# Altium PCB Master_v2.1.PcbDoc (part 1 of 2)
Units mil, origin at the board's own origin, x right, y up, seen from the top; angles counter-clockwise.
Board outline 3041.43 x 3041.44 mil, 2 copper layers (Top Layer, Bottom Layer); 99 components, 86 nets, 388 pads, 209 vias.
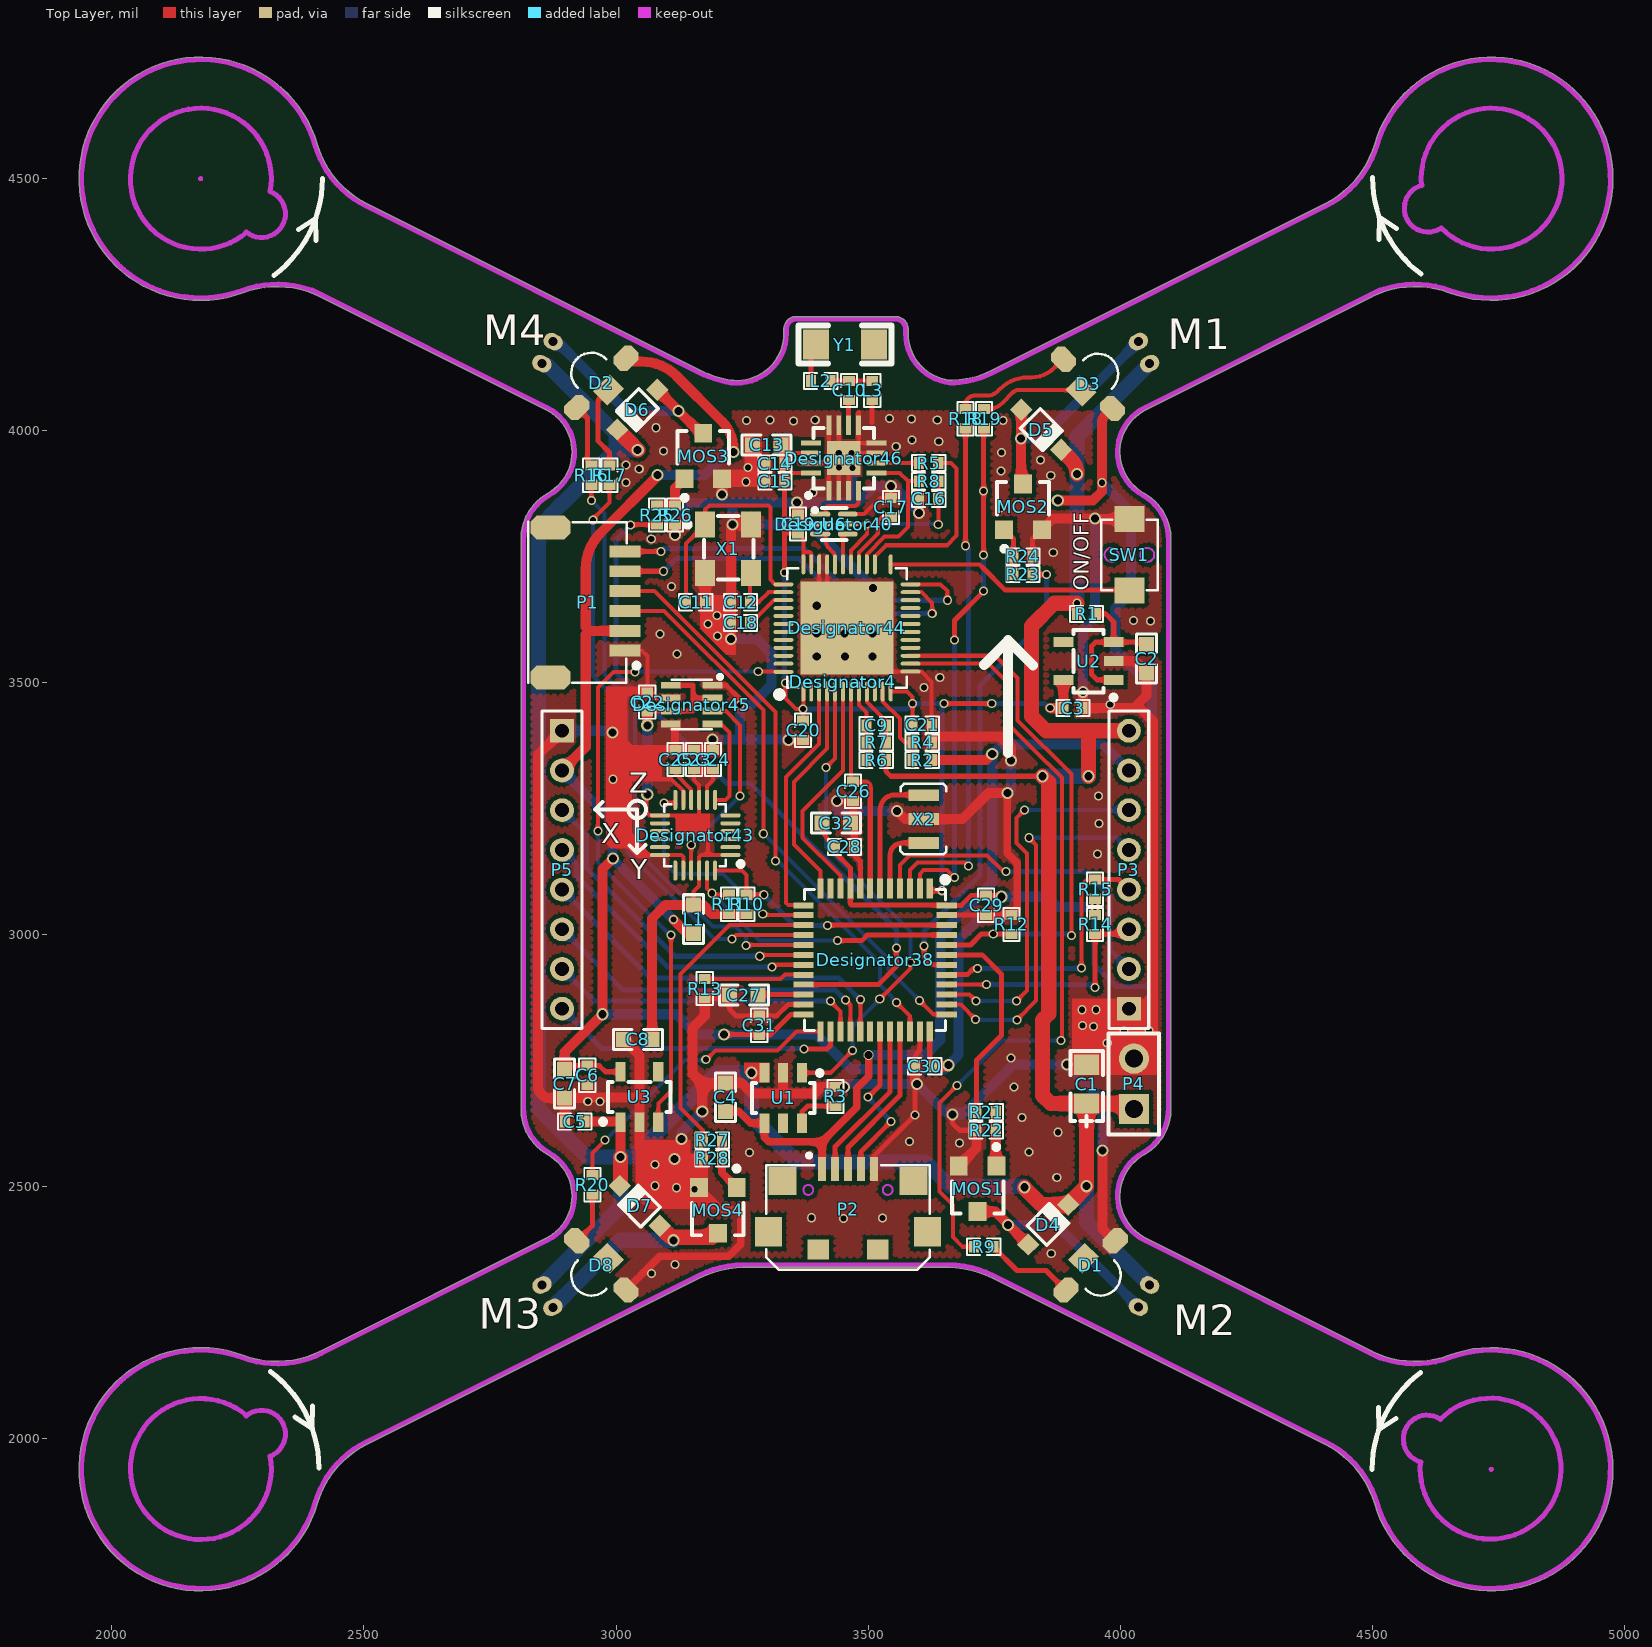
[diagram p0: Top Layer view]
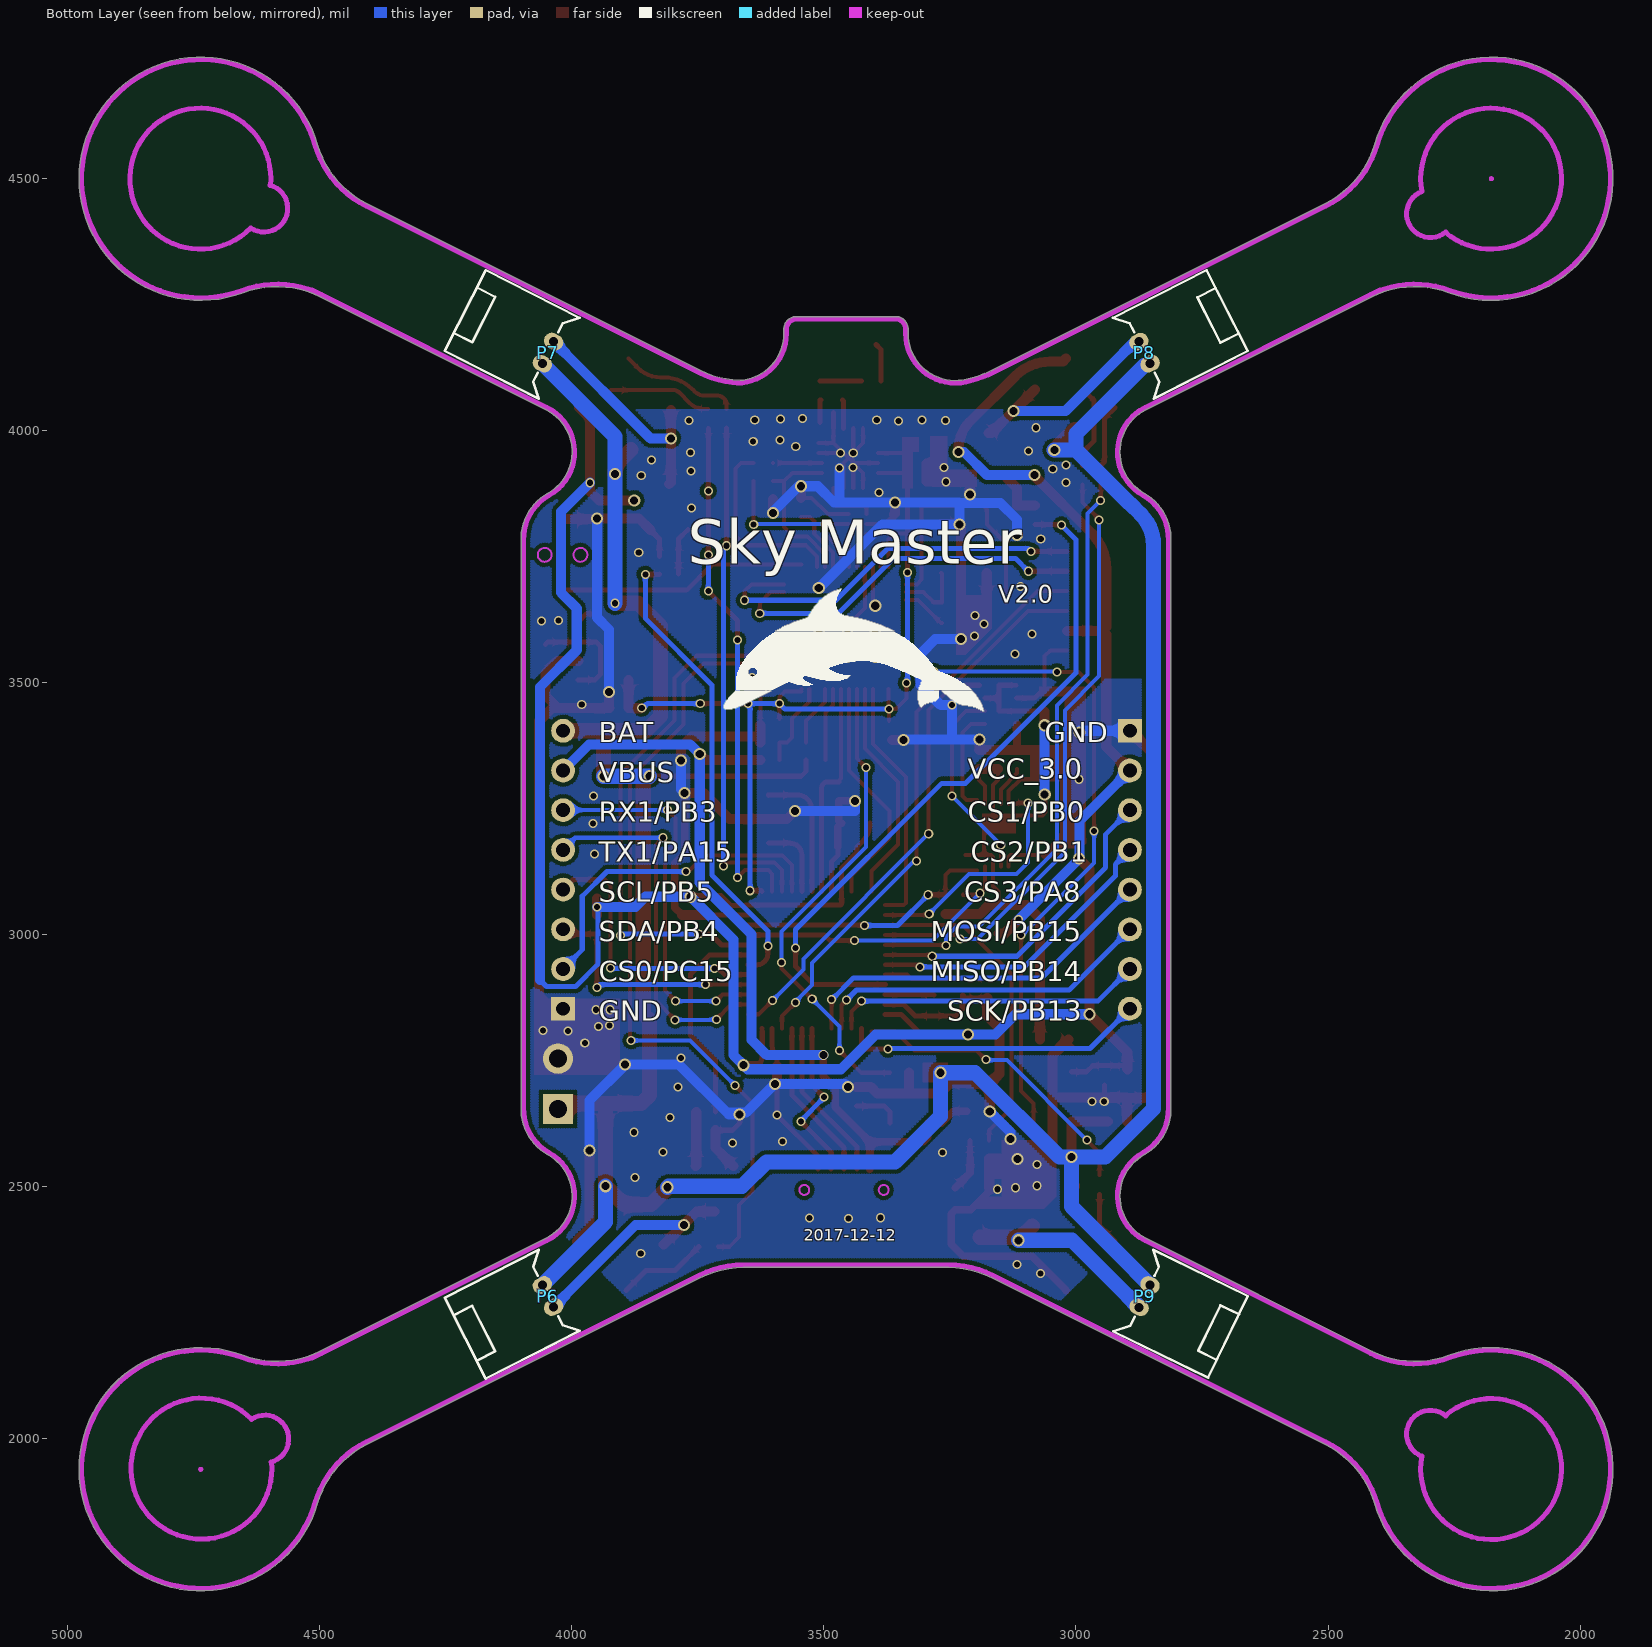
[diagram p1: Bottom Layer view, seen from below]

## Layer stack, top to bottom
Top Solder: solder mask 0.4, Solder Resist, Dk 3.5
Top Layer: signal copper 1.4
Dielectric1: dielectric 12.6, FR-4, Dk 4.8
Bottom Layer: signal copper 1.4
Bottom Solder: solder mask 0.4, Solder Resist, Dk 3.5

## Board outline
2407.87,1871.64 ccw(c2403.06,1873.05) 2407.88,1871.67 cw(c2591.9,1817.47) 2506.05,1989.02 3166.83,2319.69 cw(c3252.68,2148.13) 3252.68,2339.97 3659.28,2339.97 cw(c3659.28,2148.13) 3745.13,2319.69 4405.91,1989.02 ccw(c4408.15,1993.51) 4405.91,1989.02 cw(c4320.06,1817.47) 4405.94,1989.01 cw(c4320.06,1817.47) 4504.08,1871.68 cw(c4320.06,1817.47) 4504.09,1871.64 cw(c4508.9,1873.05) 4504.08,1871.68 4504.09,1871.64 ccw(c4735.51,1939.76) 4976.74,1939.76 ccw(c4735.51,1939.76) 4651.3,2165.82 cw(c4584.34,2345.59) 4498.64,2173.96 cw(c4584.34,2345.59) 4498.49,2174.03 4498.64,2173.96 4050.74,2398.09 ccw(c4048.5,2393.61) 4050.72,2398.1 ccw(c4092.55,2481.62) 4050.74,2398.09 4050.72,2398.1 cw(c4092.55,2481.62) 4047.1,2563.23 ccw(c4044.68,2567.63) 4047.12,2563.25 ccw(c3996.82,2653.64) 4100.23,2650.79 ccw(c3996.82,2653.64) 4100.26,2653.64 ccw(c3996.82,2653.64) 4100.23,2656.41 4100.23,3782.16 ccw(c3996.82,3784.93) 4100.26,3784.93 ccw(c3996.82,3784.93) 4100.23,3787.77 cw(c4095.21,3787.64) 4100.23,3787.64 4100.23,3787.77 ccw(c3996.82,3784.93) 4047.12,3875.32 cw(c4092.55,3956.94) 4047.1,3875.34 cw(c4092.55,3956.94) 4050.72,4040.46 cw(c4092.55,3956.94) 4050.74,4040.48 4498.64,4264.61 cw(c4584.34,4092.98) 4651.3,4272.75 ccw(c4735.51,4498.81) 4976.74,4498.81 ccw(c4735.51,4498.81) 4504.09,4566.93 ccw(c4508.9,4565.51) 4504.08,4566.89 ccw(c4320.06,4621.1) 4504.09,4566.93 4504.08,4566.89 cw(c4320.06,4621.1) 4405.94,4449.56 cw(c4320.06,4621.1) 4405.91,4449.54 ccw(c4408.15,4445.06) 4405.91,4449.54 cw(c4408.15,4445.06) 4405.94,4449.56 4405.91,4449.54 3745.13,4118.88 cw(c3659.28,4290.44) 3667.08,4098.76 cw(c3672.51,4192.01) 3579.1,4192 3579.12,4200.85 ccw(c3554.42,4200.89) 3579.12,4200.89 ccw(c3554.42,4200.89) 3554.42,4225.59 3357.55,4225.59 ccw(c3357.55,4200.89) 3332.85,4200.89 ccw(c3337.87,4200.89) 3332.85,4200.86 3332.85,4192.01 cw(c3239.44,4192.01) 3209.82,4103.42 ccw(c3208.2,4098.68) 3209.34,4103.56 cw(c3252.68,4290.44) 3209.31,4103.57 cw(c3252.68,4290.44) 3166.83,4118.88 2506.05,4449.54 cw(c2591.9,4621.1) 2407.88,4566.9 cw(c2591.9,4621.1) 2407.87,4566.93 cw(c2403.06,4565.51) 2407.88,4566.9 2407.87,4566.93 ccw(c2176.45,4498.81) 2260.66,4272.75 cw(c2327.62,4092.98) 2413.32,4264.61 2861.21,4040.48 ccw(c2863.46,4044.96) 2861.24,4040.46 cw(c2819.41,3956.94) 2912.82,3956.94 cw(c2819.41,3956.94) 2864.86,3875.34 ccw(c2867.27,3870.94) 2864.83,3875.32 ccw(c2819.41,3956.94) 2864.86,3875.34 2864.83,3875.32 ccw(c2915.13,3784.93) 2811.73,3787.77 ccw(c2915.13,3784.93) 2811.69,3784.93 2811.69,3744.42 ccw(c2816.71,3744.42) 2811.73,3743.81 2811.73,2656.41 ccw(c2915.13,2653.64) 2811.73,2650.79 cw(c2816.74,2650.93) 2811.73,2650.93 2811.73,2650.79 ccw(c2915.13,2653.64) 2864.83,2563.25 cw(c2819.41,2481.62) 2864.86,2563.23 cw(c2867.27,2567.63) 2864.83,2563.25 2864.86,2563.23 cw(c2819.41,2481.62) 2912.82,2481.62 cw(c2819.41,2481.62) 2861.24,2398.1 cw(c2819.41,2481.62) 2861.21,2398.09 cw(c2863.46,2393.61) 2861.24,2398.1 2861.21,2398.09 2413.47,2174.03 ccw(c2415.71,2169.55) 2413.44,2174.02 ccw(c2327.62,2345.59) 2413.47,2174.03 2413.44,2174.02 cw(c2327.62,2345.59) 2260.66,2165.82 ccw(c2176.45,1939.76)

## Design rules (kind name [scope] priority, off if disabled: settings)
Clearance Clearance_7 [InPolygon] p1: gap=8
Clearance Clearance_6 [(InComponent('P2'))] p2: gap=1
Clearance Clearance_5 [(InComponent('U6'))] p3: gap=1
Clearance Clearance_4 [(InComponent('U5'))] p4: gap=1
Clearance Clearance_3 [(InComponent('U4'))] p5: gap=1
Clearance Clearance_2 [(InComponent('U8'))] p6: gap=1
Clearance Clearance_1 [(InComponent('U9'))] p7: gap=1
Clearance [All] p8: gap=6
ComponentClearance [All] p1: gap=-10 collisioncheckmode=3 verticalgap=10 showdistances=FALSE
PlaneConnect [All] p1: planeconnectstyle=Direct reliefexpansion=20 reliefentries=4 reliefconductorwidth=10 reliefairgap=10
PolygonConnect [All] p1: connectstyle=Direct reliefconductorwidth=10 reliefentries=4 polygonreliefangle="90 Angle" airgapwidth=10
RoutingVias [All] p1: holewidth=28 width=50 viastyle="Through Hole" minholewidth=10 minwidth=10 maxholewidth=28 maxwidth=50
SilkToSolderMaskClearance SilkscreenOverComponentPads [IsPad] p1: minsilkscreentomaskgap=10 clearancetoexposedcopper=TRUE
SolderMaskExpansion [All] p1: expansion=4
Width [All] p1: maxlimit=100 minlimit=8 preferedwidth=10
27 further rules are at their usual default settings.

## Classes and differential pairs
component class Master_1: C22 C23 C24 C25
component class Master_2: C26 C27 C28 C29 C30 C31 C32 D2 D3 D4 D5 D6 D7 D8 MOS1 MOS2 MOS3 MOS4 P1 P2 P3 P4 P5 P6 P7 P8 P9 R10 R11 R12 R13 R14 R15 R16 R17 R18 R19 R20 R21 R22 R23 R24 R25 R26 R27 R28 X2
component class Master: C1 C2 C3 C4 C5 C6 C7 C8 C9 C10 C11 C12 C13 C14 C15 C16 C17 C18 C19 C20 C21 D1 L1 L2 L3 R1 R2 R3 R4 R5 R6 R7 R8 R9 SW1 U1 U2 U3 U6 X1 Y1

## Components (designator, comment, footprint, x,y, rotation, side; value= is the part's Value field where it differs from the comment)
C1 "22uF" "C0805 钽电容" 3933,2665 r90 top
C2 "10uF" 0603P 4052,3547 r90 top
C3 "1uF" 0402 3906,3449 r180 top
C4 "10uF" 0603P 3217,2678 r270 top
C5 "1uF" 0402 2918,2629 r0 top
C6 "104" 0402 2943,2721.03 r90 top
C7 "10uF" 0603P 2898,2704 r90 top
C8 "10uF" 0603P 3043,2792 r0 top
C9 "104" 0402 3516,3415 r180 top
C10 "2.2p" 0402 3462,4079 r90 top
C11 "12p" 0402 3158,3659 r0 top
C12 "12p" 0402 3247,3659 r180 top
C13 "10uF" 0603P 3299,3971 r180 top
C14 "103" 0402 3315.03,3934 r180 top
C15 "221" 0402 3315.03,3899 r180 top
C16 "222" 0402 3620,3864 r180 top
C17 "473" 0402 3545,3847 r90 top
C18 "104" 0402 3247,3618 r180 top
C19 "104" 0402 3361,3814 r90 top
C20 "104" 0402 3371,3405 r270 top
C21 "104" 0402 3607,3416 r0 top
C22 "104" 0402 3062,3461 r270 top
C23 "104" 0402 3155,3347 r270 top
C24 "103" 0402 3192,3347 r270 top
C25 "104" 0402 3118,3347 r270 top
C26 "104" 0402 3470.03,3284 r90 top
C27 "10uF" 0603P 3253,2880 r0 top
C28 "104" 0402 3453.03,3174 r180 top
C29 "104" 0402 3734,3058 r90 top
C30 "104" 0402 3612,2739 r0 top
C31 "104" 0402 3284,2820 r270 top
C32 "10uF" 0603P 3437,3221 r180 top
D1 "LED-B" "LED1206  侧贴" 3941,2344 r225 top
D2 "LED-RG" "LED1206  侧贴" 2971,4094 r45 top
D3 "LED-RG" "LED1206  侧贴" 3936,4092 r315 top
D4 "BAT54WS" SOD-323 3857,2425 r225 top
D5 "BAT54WS" SOD-323 3843,4001 r135 top
D6 "BAT54WS" SOD-323 3042,4041 r45 top
D7 "BAT54WS" SOD-323 3047,2462 r315 top
D8 "LED-B" "LED1206  侧贴" 2971,2344 r135 top
Designator4 "Comment" "LOGO - duplicate" 3450,3501 r0 top
Designator38 "Comment" UFQFPN48 3513.84,2949.83 r270 top
Designator40 "Comment" 0603-6#1 3432,3814 r0 top
Designator43 "Comment" QFN24-0.4 3157,3197 r180 top
Designator44 "Comment" QFN48M-04 3458,3608 r90 top
Designator45 "Comment" LGA-8 3150,3456 r0 top
Designator46 "Comment" QFN16M 3451.47,3944.94 r90 top
L1 "1uH" 0603P 3154,3031 r270 top
L2 "3.9nH" 0402 3406,4098 r0 top
L3 "1nH" 0402 3508,4079 r270 top
MOS1 "SI2302" SO-G3/C2.5 3717,2496 r180 top
MOS2 "SI2302" SO-G3/C2.5 3807,3848 r0 top
MOS3 "SI2302" SO-G3/C2.5 3173,3949 r0 top
MOS4 "SI2302" SO-G3/C2.5 3202,2453 r180 top
P1 "STM_SWD" SH1.0-6P 3018,3563 r90 top
P2 "MICRO-USB" MICRO_USB5P_SOP 3460,2535 r180 top
P3 "CONN_8_RIGHT" HEADER8-2.0MM 4017,2853 r90 top
P4 "Battery" HDR1X2 4027,2654 r90 top
P5 "CONN_8_RIGHT" HEADER8-2.0MM 2893,3404.18 r270 top
P6 "HEAD2" HEADER2-1.25MM 4047,2283.31 r63 bottom
P7 "HEAD2" HEADER2-1.25MM 4047,4154 r117 bottom
P8 "HEAD2" HEADER2-1.25MM 2864.17,4153.92 r243 bottom
P9 "HEAD2" HEADER2-1.25MM 2864,2283 r296 bottom
R1 "0R" 0402 3933,3636 r180 top
R2 "10K" 0402 3607,3346 r0 top
R3 "1.6K" 0402 3435,2679 r270 top
R4 "10K" 0402 3607,3381 r180 top
R5 "1K" 0402 3620,3935 r0 top
R6 "49.9K" 0402 3516,3346 r0 top
R7 "49.9K" 0402 3516,3381 r180 top
R8 "1K" 0402 3620,3899 r0 top
R9 "510R" 0402 3729,2381 r180 top
R10 "4.7K" 0402 3259,3060 r270 top
R11 "4.7K" 0402 3224,3060 r270 top
R12 "10K" 0402 3784,3020 r90 top
R13 "100K" 0402 3176,2893 r270 top
R14 "100K" 0402 3950,3020 r90 top
R15 "100K" 0402 3950,3090 r270 top
R16 "10K" 0402 2951,3911 r270 top
R17 "10K" 0402 2987,3911 r270 top
R18 "10K" 0402 3693,4023 r270 top
R19 "10K" 0402 3730,4023 r270 top
R20 "10K" 0402 2953,2504 r270 top
R21 "100R" 0402 3734,2648 r180 top
R22 "10K" 0402 3734,2612 r0 top
R23 "100R" 0402 3807,3715 r0 top
R24 "10K" 0402 3807,3750 r180 top
R25 "100R" 0402 3081,3832 r270 top
R26 "10K" 0402 3117,3832 r90 top
R27 "100R" 0402 3191,2592 r180 top
R28 "10K" 0402 3191,2556 r0 top
SW1 "SW_PUSH" KEY_2S 4018,3753 r90 top
U1 "TP4059" SOT23-6S 3369,2726 r270 top
U2 "XC6204-30" SOT23-5S 3987,3505 r180 top
U3 "XC6204-30" SOT23-5S 3009,2628 r90 top
U6 "2450BM14A0002" 0603-6#2 3433,3814 r0 top
X1 "16MHz" "XTAL3225   无源" 3222,3765 r270 top
X2 "8MHz" XTAL3215 3610,3229 r90 top
Y1 "2450AT18B100" 1206 3454,4170 r0 top

## Footprints (in the part's own frame and the unit in brackets; to place one, negate y for a bottom-side part, rotate by r counter-clockwise, add the part's x,y. Pads: shape width x height; smd on the part's side, far side on the other; paste and mask are expansions set on the pad)
0402 [mil]
  rect 20x23.62 smd: 1(-19,0) 2(19,0)
  silkscreen extent -33,-16 33,16
0603-6#1 [mm] "SOIC, 6-Leads, Body 1.6x0.6mm (max), Pitch 1.27mm, IPC Medium Density"
  oval 1x0.25 smd: 1(-0.7,0.5) 2(-0.7,0) 3(-0.7,-0.5) 4(0.7,-0.5) 5(0.7,0) 6(0.7,0.5)
  silkscreen extent -1.05,-0.8 0.6,0.8, body extent -0.3,-0.8 0.3,0.8, height 0.5
0603-6#2 [mm]
  oval 0.5x0.25 smd: 1(-0.45,0.5) 2(-0.45,0) 3(-0.45,-0.5) 4(0.45,-0.5) 5(0.45,0) 6(0.45,0.5)
  silkscreen extent -1.05,-0.8 0.6,0.8
0603P [mil]
  rect 30x30 smd: 1(-28,0) 2(28.5,-0.06)
  silkscreen extent -48,-20 49,20
1206 [mil]
  rect 51.18x60 smd: 1(-57.5,0) 2(57.5,0)
  silkscreen extent -93,-38 93,38
"C0805 钽电容" [mil]
  rect 40x50 smd: 1(0,-0.06) 2(77,-0.06)
  silkscreen extent -46,-33 104,32
HDR1X2 [mil]
  rect 60x60 hole 35.43: 1(0,0)
  round 60 hole 35.43: 2(100,0)
  silkscreen extent -50,-50 150,50
HEADER2-1.25MM [mm]
  oval 0.8x1 hole 0.45: 1(-0.625,0) 2(0.625,0)
  silkscreen extent -2.29,-0.64 2.29,4.67
HEADER8-2.0MM [mm]
  rect 1.2x1.2 hole 0.7: 1(0,0)
  round 1.2 hole 0.7: 2(2,0) 3(4,0) 4(6,0) 5(8,0) 6(10,0) 7(12,0) 8(14,0)
  silkscreen extent -1,-1 15,1
KEY_2S [mm]
  rect 1.3x1.5 smd: 1(-1.8,0) 2(1.8,0)
  Keep-Out Layer circle w0.1: c0,0.9 r0.35
  Keep-Out Layer circle w0.1: c0,-0.9 r0.35
  silkscreen extent -1.78,-1.42 1.78,1.42
"LED1206  侧贴" [mm]
  oct 1.3x1 smd: 1(-1.75,0) 3(1.75,0)
  rect 1.2x1 smd: 2(0,-0.508)
  silkscreen extent -1.02,0.66 1.02,1.72
LGA-8 [mm]
  rect 1x0.35 smd: 1(1.05,0.975) 2(1.05,0.325) 3(1.05,-0.325) 4(1.05,-0.975) 5(-1.05,-0.975) 6(-1.05,-0.325) 7(-1.05,0.325) 8(-1.05,0.975)
  silkscreen extent -1,-1.25 1.52,1.5
"LOGO - duplicate" [mil]
MICRO_USB5P_SOP [mm]
  rect 1.35x1.5 smd: 0(-4,3.16) 0(4,3.16)
  rect 1.4x1.4 smd: 0(-3.3,0.6) 0(3.3,0.6)
  rect 1.1x1 smd: 0(-1.5,4.046) 0(1.5,4.046)
  rect 0.4x1.2 smd: 1(1.3,0) 2(0.65,0) 3(0,0) 4(-0.65,0) 5(-1.3,0)
  Keep-Out Layer circle w0.1: c-2,1.05 r0.25
  Keep-Out Layer circle w0.1: c2,1.05 r0.25
  silkscreen extent -4.11,-0.79 4.11,5.08
QFN16M [mm]
  rect 1x0.25 smd: 1(-1.65,0.75) 2(-1.65,0.25) 3(-1.65,-0.25) 4(-1.65,-0.75) 9(1.65,-0.75) 10(1.65,-0.25) 11(1.65,0.25) 12(1.65,0.75)
  rect 0.25x1 smd: 5(-0.75,-1.65) 6(-0.25,-1.65) 7(0.25,-1.65) 8(0.75,-1.65) 13(0.75,1.65) 14(0.25,1.65) 15(-0.25,1.65) 16(-0.75,1.65)
  rect 1.7x1.7 smd: 17(0,0)
  silkscreen extent -1.98,-1.52 1.52,1.88
QFN24-0.4 [mil]
  oval 40x8 smd: 1(-70.01,39.37) 2(-70.01,23.62) 3(-70.01,7.87) 4(-70.01,-7.87) 5(-70.01,-23.62) 6(-70.01,-39.37) 13(70.01,-39.37) 14(70.01,-23.62) 15(70.01,-7.87) 16(70.01,7.87) 17(70.01,23.62) 18(70.01,39.37)
  oval 8x40 smd: 7(-39.37,-70.01) 8(-23.62,-70.01) 9(-7.87,-70.01) 10(7.87,-70.01) 11(23.62,-70.01) 12(39.37,-70.01) 19(39.37,70.01) 20(23.62,70.01) 21(7.87,70.01) 22(-7.87,70.01) 23(-23.62,70.01) 24(-39.37,70.01)
  silkscreen extent -95,-61 61,62
QFN48M-04 [mm]
  oval 1x0.2 smd: 1(-3.2,2.2) 2(-3.2,1.8) 3(-3.2,1.4) 4(-3.2,1) 5(-3.2,0.6) 6(-3.2,0.2) 7(-3.2,-0.2) 8(-3.2,-0.6) 9(-3.2,-1) 10(-3.2,-1.4) 11(-3.2,-1.8) 12(-3.2,-2.2) 25(3.2,-2.2) 27(3.2,-1.4) 28(3.2,-1) 29(3.2,-0.6) 30(3.2,-0.2) 31(3.2,0.2) 32(3.2,0.6) 33(3.2,1) 34(3.2,1.4) 35(3.2,1.8) 36(3.2,2.2)
  oval 0.2x1 smd: 13(-2.2,-3.2) 14(-1.8,-3.2) 15(-1.4,-3.2) 16(-1,-3.2) 17(-0.6,-3.2) 18(-0.2,-3.2) 19(0.2,-3.2) 20(0.6,-3.2) 21(1,-3.2) 22(1.4,-3.2) 23(1.8,-3.2) 24(2.2,-3.2) 37(2.2,3.2) 38(1.8,3.2) 39(1.4,3.2) 40(1,3.2) 41(0.6,3.2) 42(0.2,3.2) 43(-0.2,3.2) 44(-0.6,3.2) 45(-1,3.2) 46(-1.4,3.2) 47(-1.8,3.2) 48(-2.21,3.2)
  oval 1x0.2 on Top Overlay: 26(3.2,-1.8)
  rect 4.7x4.7 smd: 49(0,0)
  silkscreen extent -3.48,-3 3,3.53
SH1.0-6P [mm]
  rect 0.6x1.55 smd: 1(0,0) 2(1,0) 3(2,0) 4(3,0) 5(4,0) 6(5,0)
  oct 1.2x2 smd: A(-1.346,3.759) B(6.21,3.759)
  silkscreen extent -1.63,-0.7 6.48,4.89
SO-G3/C2.5 [mm]
  rect 0.9x0.95 smd: 1(-0.95,-1.148) 2(0.95,-1.148) 3(0,1.148)
  silkscreen extent -1.3,-2.23 1.3,1.25
SOD-323 [mm]
  rect 0.8x0.8 smd: 1(1.422,0) 2(-1.422,0)
  silkscreen extent -0.79,-0.74 0.79,0.69
SOT23-5S [mm]
  rect 1x0.508 smd: 1(0,0) 2(0,-0.95) 3(0,-1.9) 4(2.54,-1.9) 5(2.54,0)
  silkscreen extent 0,-2.52 2.03,0.89
SOT23-6S [mil]
  rect 39.37x20 smd: 1(0,0) 2(0,-37.5) 3(0,-74.8) 4(100,-74.8) 5(100,-37.5) 6(100,0)
  silkscreen extent 0,-99 80,35
UFQFPN48 [mil]
  rect 40x12 smd: 1(-141.83,108.27) 2(-141.83,88.58) 3(-141.83,68.9) 4(-141.83,49.21) 5(-141.83,29.53) 6(-141.83,9.84) 7(-141.83,-9.84) 8(-141.83,-29.53) 9(-141.83,-49.21) 10(-141.83,-68.9) 11(-141.83,-88.58) 12(-141.83,-108.27) 25(141.83,-108.27) 26(141.83,-88.58) 27(141.83,-68.9) 28(141.83,-49.21) 29(141.83,-29.53) 30(141.83,-9.84) 31(141.83,9.84) 32(141.83,29.53) 33(141.83,49.21) 34(141.83,68.9) 35(141.83,88.58) 36(141.83,108.27)
  rect 12x40 smd: 13(-108.27,-141.83) 14(-88.58,-141.83) 15(-68.9,-141.83) 16(-49.21,-141.83) 17(-29.53,-141.83) 18(-9.84,-141.83) 19(9.84,-141.83) 20(29.53,-141.83) 21(49.21,-141.83) 22(68.9,-141.83) 23(88.58,-141.83) 24(108.27,-141.83) 37(108.27,141.83) 38(88.58,141.83) 39(68.9,141.83) 40(49.21,141.83) 41(29.53,141.83) 42(9.84,141.83) 43(-9.84,141.83) 44(-29.53,141.83) 45(-49.21,141.83) 46(-68.9,141.83) 47(-88.58,141.83) 48(-108.27,141.83)
  silkscreen extent -164,-140 140,144
XTAL3215 [mm]
  rect 0.6x1.524 smd: 1(-1.2,0) 2(0,0) 3(1.2,0)
  silkscreen extent -1.78,-1.14 1.78,1.17
"XTAL3225   无源" [mil]
  rect 51.18x39.37 smd: 1(-48,-45.5) 2(48,-45.5) 3(48,45.5) 4(-48,45.5)
  silkscreen extent -65,-85 61,51

## Part data
C1: library part CAP
C2 C3 C4 C5 C6 C7 C8 C9 C10 C11 C12 C13 C14 C15 C16 C17 C18 C19 C20 C21 C22 C23 C24 C25 C26 C27 C28 C29 C30 C31 C32: library part C
D1 D8: library part "LED 1206 侧贴  单色", "LED 1206 侧贴  单色"
D2 D3: library part "LED 1206 侧贴 双色", "LED 1206 侧贴 双色"
D4 D5 D6 D7: library part BAT54, "单肖特基二极管"
L1 L2 L3: library part L
MOS1 MOS2 MOS3 MOS4: library part MOS-N, "AP2306"
P1: library part HEAD6
P2: library part USB5
P3 P5: library part HEAD8
P4: library part "Header 2", "Header, 2-Pin"
R1 R2 R3 R4 R5 R6 R7 R8 R9 R10 R11 R12 R13 R14 R15 R16 R17 R18 R19 R20 R21 R22 R23 R24 R25 R26 R27 R28: library part R
SW1: library part KEY
U2 U3: library part XC6204
U6: library part BALUN
X1: library part XTAL-无源贴片, "无源贴片晶振"
X2: library part XTAL-3215
Y1: library part CHIP_ANTENNA

## Via types
v1: diameter 18, hole 12, Top Layer to Bottom Layer, 153 vias
v2: diameter 24, hole 16, Top Layer to Bottom Layer, 55 vias
v3: diameter 20, hole 16, Top Layer to Bottom Layer, 1 vias

## Nets (pads, with @x,y where several pads share a name; then routed paths per layer and width w, separated by ;. In a path a pad name is that pad's centre, name@x,y a point inside that pad or via, vN(x,y) a via of type N, cw(c..) or ccw(c..) an arc to the next point about the centre after c; other vN are vias at no path point)
+BATT: C1.1 C5.2 D4.2 D5.2 D6.2 D7.2 P3.8 P4.1 P6.2 P7.1 P8.2 P9.1 R1.2 R6.2 U1.3 U3.1 | length 6439.8
  Top Layer w10: R6.2@3535,3346 3535,3324 3545,3314 v2(3846,3314)
  Top Layer w20: C5.2@2937,2629 3008,2629 cw(c3008,2628) U3.1@3009,2628 v2(3009,2559)
  Top Layer w30: D6.2@3002.4,4001.4 v2(3043,3960.8) ; D7.2@3007.4,2501.6 3009,2503.2 v2(3009,2559) ; v2(3810,2499) 3810,2497.59 3842.99,2464.6 D4.2@3896.6,2464.6 v2(3933.06,2501.06) C1.1@3933.06,2665 ; v2(3846,3314) 3858,3302 3858,2842.93 3846,2830.93 3846,2681 3862,2665 C1.1@3933.06,2665 ; D5.2@3882.6,3961.4 3901.98,3942.02 cw(c3872.96,3913) 3909.69,3931.31 cw(c3872.96,3913) v2(3914,3913) ; v1(3914,3657) 3869,3657 3824,3612 3824,3433 3852.82,3404.18 3936,3404.18 ; v2(3937,3314) 3937,3403.18 3936,3404.18 ; P3.8@4025,3404.18 P3.8@4017,3404.18 3936,3404.18 ; P4.1@4027,2654 4016,2665 C1.1@3933.06,2665
  Bottom Layer w30: P9.1@2853.21,2305.11 3009,2460.9 v2(3009,2559) ; P8.2@2865,4128 2865.29,4128 3000.14,3993.14 3000.14,3960.86 ; v2(3043,3960.8) 3042.94,3960.86 3000.14,3960.86 ; v2(3810,2499) 3807.94,2501.06 3661.94,2501.06 3614,2549 3359,2549 3269,2639 v2(3269,2726) 3199.93,2726 3032.93,2559 v2(3009,2559) ; v2(3846,3314) v2(3937,3314) ; v1(3914,3657) v2(3914,3913) 3914,3987.91 P7.1@4058.17,4132.08 ; v2(3933.06,2501.06) 3933.06,2430.34 P6.2@4058.17,2305.23 ; 3000.14,3960.86 2894.14,3854.85 2892.85,3854.85 2871.5,3833.5 ccw(c2932.49,3772.51) 2846.24,3772.51 2846.24,2654.76 2942,2559 v2(3009,2559)
E_CS0: P3.2 | length 677.6
  Top Layer w8: 3563.21,3085.83 3563.21,3138.21 3582,3157 3736,3157 3768,3125 v1(3773,3125)
  Bottom Layer w10: v1(3773,3125) 3930,3125 3979,3076 3979,2970 P3.2@4017,2932 ; P3.2@4017,2931.74 P3.2@4017,2932 ; P3.2@4025,2931.74 4017.26,2931.74 P3.2@4017,2932
E_CS1: P5.3 | length 644.8
  Top Layer w8: v1(3285,2957) 3287.84,2959.84 3378.17,2959.84
  Bottom Layer w10: P5.3@2893,3246.7 2941,3198.7 2941,3133 3117,2957 v1(3285,2957)
E_CS2: P5.4 | length 596.4
  Top Layer w8: v1(3309,2936) 3313.16,2940.16 3378.17,2940.16
  Bottom Layer w10: P5.4@2893,3167.96 2922,3138.96 2922,3116 3102,2936 v1(3309,2936)
E_CS3: P5.5 | length 738.7
  Top Layer w8: 3484.47,2814.17 v1(3484.47,2871)
  Bottom Layer w10: P5.5@2893,3089.22 3068.22,2914 3441.47,2914 v1(3484.47,2871)
E_CS4: 
E_MISO: P5.7 | length 620.6
  Top Layer w8: v1(3425,2868) 3445.1,2847.9 3445.1,2814.17
  Bottom Layer w10: P5.7@2893,2931.74 2956.74,2868 v1(3425,2868)
E_MOSI: P5.6 | length 680.1
  Top Layer w8: v1(3455,2870) 3464.79,2860.21 3464.79,2814.17
  Bottom Layer w10: P5.6@2893,3010.48 3013.48,2890 3435,2890 v1(3455,2870)
E_RX1: P3.6 | length 768.2
  Top Layer w8: 3649.83,2881.1 3700.9,2881.1 v1(3714,2868) ; v1(3794,2868) 3815,2889 3815,3161 3794,3182 3794,3231 v1(3810,3247)
  Bottom Layer w8: v1(3714,2868) v1(3794,2868) ; v1@3810.3,3246.7 v1(3810,3247) 4016.7,3247 P3.6@4017,3246.7 P3.6@4025,3246.7
E_SCK: Designator38.26 P5.8 | length 601.9
  Top Layer w10: v1(3373,2773) 3418,2773 3425.26,2780.26 Designator38.26@3425.26,2808 ; Designator38.26@3425.42,2808 Designator38.26@3425.42,2814.17
  Bottom Layer w10: P5.8@2893,2853 2972,2774 v1@3373,2774
E_SCL: P3.4 R15.1 | length 555.8
  Top Layer w8: v1(3923,2934) 3923,3098 3934,3109 R15.1@3950,3109
  Top Layer w10: 3649.83,2920.47 3696.47,2920.47 3709,2933 v1(3717,2933) ; R15.1@3950,3109 3997.22,3109 P3.4@4017,3089.22 ; P3.4@4021,3093.22 P3.4@4025,3089.22
  Bottom Layer w10: v1(3717,2933) 3923,2933 v1(3923,2934)
E_SDA: P3.3 R14.1 | length 487.7
  Top Layer w8: 3649.83,2900.79 3734.79,2900.79 v1(3735,2901)
  Top Layer w10: v1(3950,2895) R14.1@3950,3001 4015.52,3001 P3.3@4025,3010.48
  Bottom Layer w10: v1(3735,2901) 3944,2901 v1(3950,2895)
E_TX1: P3.5 | length 749.1
  Top Layer w8: 3649.83,2861.42 3683.58,2861.42 v1(3713,2832) ; v1(3795,2831) 3833,2869 3833,3178 v1(3819,3192)
  Bottom Layer w8: v1(3713,2832) 3714,2831 3715,2832 3716,2831 v1(3795,2831) ; v1(3819,3192) 3992.96,3192 P3.5@4017,3167.96
GND: C1.2 C2.1 C3.1 C4.1 C5.1 C6.1 C7.1 C8.1 C11.2 C12.2 C13.2 C14.2 C15.2 C16.2 C17.2 C18.2 C19.2 C20.2 C21.2 C22.1 C23.1 C24.1 C25.1 C26.1 C27.1 C28.1 C29.1 C30.1 C31.1 C32.1 D1.1 D8.1 Designator38.35 Designator38.47 Designator40.2 Designator43.11 Designator43.18 Designator43.20 Designator44.13 Designator44.33 Designator44.34 Designator44.49 Designator45.1 Designator45.5 Designator45.7 Designator46.1 Designator46.2 Designator46.3 Designator46.7 Designator46.8 Designator46.9 Designator46.11 Designator46.12 Designator46.15 Designator46.17 L3.2 MOS1.2 MOS2.2 MOS3.2 MOS4.2 P1.1 P2.5 P3.1 P4.2 P5.1 R3.1 R4.1 R12.2 R13.2 R22.1 R24.1 R26.1 R28.1 SW1.2 U1.2 U2.2 U3.2 U6.2 U6.6 X1.2 X1.4 X2.2 | length 12149.2
  Top Layer w8: v2(2993,3401) 2993,3456 3017,3480 C22.1@3062,3480 3062,3552 3051,3563 P1.1@3018,3563 ; 3022,3307 3023,3308 3110,3308 3133.38,3284.62 Designator43.11@3133.38,3267.01 Designator43.11@3133.38,3259.01 ; 3061.37,3157.63 3129.37,3157.63 3133.38,3153.62 Designator43.20@3133.38,3134.99 ; Designator45.5@3117,3417.11 Designator45.5@3117.5,3417.61 ; X1.2@3176.5,3717 X1.2@3177,3716.5 ; C13.2@3270.5,3971.06 3270.5,3959.53 C14.2@3296.03,3934 ; C19.2@3361,3833 3380,3814 Designator40.2@3404.44,3814 U6.2@3415.28,3814 ; Designator46.15@3392.42,3935.1 Designator46.17@3441.63,3935.1 ; Designator44.49@3402.88,3663.12 Designator44.34@3402.88,3729.06 ; Designator44.33@3418.63,3729.06 3418.63,3647.37 Designator44.49@3458,3608 3544.61,3521.39 3605.61,3521.39 3626,3501 3626,3428 ; Designator46.1@3421.94,3885.89 3421.94,3915.42 Designator46.17@3441.63,3935.1 ; Designator46.12@3421.94,4004 3421.94,3974.47 v1(3441.63,3954.79) ; Designator46.2@3441.63,3885.89 Designator46.17@3441.63,3935.1 ; Designator46.11@3441.63,4004 v1(3441.63,3954.79) ; Designator46.17@3448.21,3948.21 v1(3441.63,3954.79) ; U6.6@3450.72,3833.69 3491.69,3833.69 3524,3866 C17.2@3545,3866 ; Designator46.3@3461.31,3885.89 3461.31,3935.1 Designator46.17@3451.47,3944.94 Designator46.17@3461.31,3954.79 ; Designator46.9@3481,4004 Designator46.17@3481,3974.47 ; Designator46.7@3510.53,3954.79 v1(3467,3954.79) Designator46.17@3461.31,3954.79 ; Designator46.8@3510.53,3974.47 Designator46.17@3481,3974.47 ; v2@3950,3823.79 v2(3950,3825) ; 4052,3474 4052,3475 ; Designator46.17@3461.31,3954.79 Designator46.17@3481,3974.47
  Top Layer w10: v1@2943,2677 C6.1@2943,2702.03 ; 3045,2677 3045,2762 ; C22.1@3071,3480 3082.2,3468.8 Designator45.7@3117.5,3468.8 ; R13.2@3176,2874 3219,2874 C27.1@3225,2880 3225,2852 3238,2839 C31.1@3284,2839 3319,2839 3341.42,2861.42 3378.17,2861.42 ; C24.1@3191,3367 C24.1@3192,3366 ; Designator45.1@3191.34,3494.39 3218.61,3494.39 3246,3467 v1(3246,3455) ; R3.1@3435,2698 v2(3452,2698) ; Designator46.17@3441.63,3935.1 cw(c3451.47,3935.1) Designator46.17@3451.47,3944.94 ; C28.1@3472.03,3174 3472.03,3157.44 3484.47,3145 3484.47,3085.83 ; Designator46.9@3481,4004 Designator46.9@3481,4019.34 ; Designator46.9@3481,4009.9 3481,4035 ; L3.2@3506,4060 L3.2@3508,4060 3508,4015.61 ; P2.5@3511.18,2535 3511.18,2560.18 v1(3593,2642) v2@3593,2708 ; C30.1@3593,2739 3593,2751.5 cw(c3616.81,2751.5) 3599.97,2768.33 3600.55,2768.91 ccw(c3574.98,2778.88) 3602.43,2778.88 Designator38.35@3602.43,2808 ; Designator38.35@3602.58,2808 Designator38.35@3602.58,2814.17 ; Designator38.47@3649.83,3038.58 Designator38.47@3655.67,3038.58 ; Designator38.47@3655.67,3038.41 3733.41,3038.41 C29.1@3734,3039 ; v2(3667,2643) 3667,2626 3681,2612 R22.1@3715,2612 ; R12.2@3781,3039 R12.2@3784,3039 ; R24.1@3826,3750 3826,3784.39 MOS2.2@3844.4,3802.79
  Top Layer w15: D8.1@3019.72,2294.28 3086.81,2361.38 3086.81,2362.38 ; 3033,3186 3061.37,3157.63 ; 3039.72,2315.28 3086.81,2362.38 ; C25.1@3117,3366 Designator45.5@3117,3417.11 ; MOS4.2@3164.6,2498.21 3168.6,2494.21 3208.81,2454 3239,2454 3247,2446 3247,2385.74 3223.63,2362.38 3086.81,2362.38 ; v2(3438,3265) C26.1@3470.03,3265 3470.03,3226.03 C32.1@3465,3221 ; C28.1@3472.03,3174 C32.1@3472.03,3213.97 ; v2(3776,3281) 3776,3161 3795.5,3141.5 3795.5,3053.5 R12.2@3781,3039
  Top Layer w20: P5.1@2893,3404.18 2845,3356.18 2845,2700 ccw(c2869,2700) 2869,2676 C7.1@2898,2676 ; C5.1@2899,2629 2899,2675 C7.1@2898,2676 ; v2(2993,3401) 3022,3372 ; C8.1@3015,2792 3045,2762 3046.4,2760.6 U3.2@3046.4,2628 3046.4,2578.6 3069,2556 3131,2556 ; 3033,3186 3022,3197 3022,3307 3022,3372 ; 3045,2677 2944,2677 2943,2677 2899,2677 C7.1@2898,2676 ; v2(3117,3792) R26.1@3117,3813 ; v2(3130,2595) 3130,2557 3131,2556 ; MOS4.2@3168.6,2494.21 3172,2497.61 R28.1@3172,2556 3131,2556 ; v2(3171,2649) 3171,2705 ; R13.2@3176,2874 3176,2839 3152,2815 3152,2724 3171,2705 ; X1.2@3177,3716.5 C11.2@3177,3659 C12.2@3228,3659 ; C24.1@3191,3367 v2(3191,3387) ; C24.1@3192,3366 C23.1@3155,3366 C25.1@3118,3366 3117,3366 3028,3366 3022,3372 ; v2(3210,3873) 3210.4,3873.4 MOS3.2@3210.4,3903.79 3215.19,3899 C15.2@3296.03,3899 C14.2@3296.03,3934 ; v2(3228,3586) C18.2@3228,3618 C12.2@3228,3659 ; X1.4@3267.5,3813 v2(3231,3813) 3228,3810 C12.2@3228,3659 ; U1.2@3331.5,2726 3331.5,2685.5 3331,2685 ; v2(3342,3386) C20.2@3365,3386 ; v2(3359,3857) 3359,3835 C19.2@3361,3833 ; R3.1@3435,2698 3407,2698 3394,2685 3331,2685 ; C17.2@3545,3866 v2(3545,3889) ; v2(3557,3245) 3573,3229 X2.2@3610,3229 3687,3229 3739,3281 v2(3776,3281) ; v2@3593,2708 C30.1@3593,2739 ; v2(3601,3836) C16.2@3601,3864 ; R4.1@3626,3381 3626,3393 ; C21.2@3626,3416 3626,3393 ; MOS1.2@3679.6,2541.21 3715,2576.61 R22.1@3715,2612 ; C29.1@3734,3039 R12.2@3781,3039 ; v2(3783,3345) 3783,3372 3762,3393 3626,3393 ; MOS2.2@3844.4,3802.79 3866.61,3825 v2(3950,3825) ; v2(3894,2742) C1.2@3933.06,2742 ; v2(3926,3481) 3926,3450 C3.1@3925,3449 4027,3449 ; v2@3950,3823.79 4017.92,3823.79 SW1.2@4018,3823.87 ; v2(3964.72,2571.72) 3964.72,2416.72 D1.1@3989.72,2391.72 ; U2.2@3987,3542.4 4028.6,3542.4 C2.1@4052,3519 4052,3475 ; P3.1@4025,2853 4044,2853 ccw(c4044,2874) 4065,2874 4065,3423 4039,3449 4027,3449 ; 4052,3474 4027,3449 ; 3171,2705 3216,2705 C4.1@3217,2706 3249,2706 3270,2685 3331,2685
  Top Layer w30: P3.1@4025,2853 P3.1@4017,2853 3965,2853 3933.06,2821.06 3933.06,2820 C1.2@3933.06,2742 4015,2742 P4.2@4027,2754
  Bottom Layer w20: P5.1@2893,3404.18 v2@2993,3404.18 ; v2(3117,3792) 3117,3823 3150,3856 3231,3856 ; v2(3130,2595) 3130,2608 v2(3171,2649) ; v2(3191,3387) 3247,3387 ; v2(3210,3873) 3210,3858.4 3210.4,3858 ; v2(3228,3586) 3279,3586 3308,3557 3308,3495 3268,3455 v1(3246,3455) 3246,3388 3247,3387 ; v2(3342,3386) 3341,3387 3247,3387 ; v2(3438,3265) 3438,3245 v2(3557,3245) ; v2(3452,2698) 3458,2704 v2(3597,2704) 3654,2647 3692,2647 ; 3465,3858 3469,3862 v1(3469,3925) ; v2(3510,3687) 3384,3813 v2(3231,3813) 3231,3856 ; v2(3601,3836) 3601,3838 3550,3889 v2(3545,3889) 3512,3889 3480,3857 v2(3359,3857) 3232,3857 3231,3856 ; v2(3667,2643) 3688,2643 3692,2647 ; v2(3776,3281) 3783,3288 v2(3783,3345) ; v2(3926,3481) 3926,3605 3950,3629 v2(3950,3825) ; v2(3964.72,2571.72) 3964.72,2671.28 v2(3894,2742) 3787,2742 3692,2647
  other v1: 3070,2328 3117,2346 3863,2368 3451,2437 3528,2438 3388,2438.55 3156,2495 3120,2498 3077,2502 3874,2518.24 3077,2544 3265,2568 3819,2569 3681,2587 3582,2590 3876,2608 3805,2637 2944,2669 2968,2669 3789,2698 3783,2755 3974,2785 4007,2809 4057,2810 3947,2818 3925,2820 3924,2851 3952,2851 3955,3160 3958,3220 3957,3275 2994,3308 3980,3456 3611,3490 3642,3510 3121,3556 3201,3592 3086.88,3596 3182,3616 4060,3621.59 4026,3623 3200,3633 3110,3689.83 3867,3758 3069.82,3784 3762.47,3846 3391,3877 3020,3896.82 3258,3897.92 3862,3910 3763,3919 3046,3922.82 3262,3926 3442,3926 3020,3930.86 3842,3941 3764,3956 3094,3959 3555.61,3968 3640,3978 3587,3981 3079,4005 3352,4018 3259,4019 3767,4019 3305.62,4020 3395,4020 3637,4020 3586,4022.47 3542.17,4023
  other v2: 3116,2555 3398,3551 3454,3551 3509,3551 3398,3597 3453,3597 3509,3597 3398,3652
IMU_SCL: R11.1 | length 595.5
  Top Layer w8: 3180.62,3134.99 3180.62,3091.38 v1(3190,3082) 3193,3079 R11.1@3224,3079
  Top Layer w10: v1(3439,2988) 3487,2988 3498.21,2999.21 3649.83,2999.21
  Bottom Layer w8: v1(3190,3082) 3190.8,3082 3284.8,2988 v1(3439,2988)
IMU_SDA: Designator43.24 R10.1 | length 521.8
  Top Layer w8: Designator43.24@3196.37,3126.99 3250.01,3126.99 3259,3118 R10.1@3259,3079
  Top Layer w10: R10.1@3259,3079 v1(3293,3079) ; v1(3419,3018) 3419.9,3018.9 3649.83,3018.9
  Bottom Layer w10: v1(3293,3079) 3354,3018 v1(3419,3018)
LED_B: R9.2 | length 1587.5
  Top Layer w8: 3579.06,3537.13 3738.87,3537.13 3778,3498 3778,3417 3856,3339 3856.36,3339 3884,3311.36 3884,2792 v1(3882,2790) ; v1(3676,2701) 3641,2666 3641,2491 3668,2464 3668,2400 3687,2381 R9.2@3710,2381
  Bottom Layer w8: v1(3676,2701) 3765,2790 v1(3882,2790)
LED_B_L: Designator38.25 R20.1 | length 599
  Top Layer w8: R20.1@2953,2523 2953,2567 2978,2592 v1(2978,2593) ; v1(3178,2752) 3178,2751 3197,2770 3320,2770 3358,2808 Designator38.25@3405.57,2808
  Bottom Layer w8: v1(2978,2593) 2979,2593 3137,2751 3178,2751 v1(3178,2752)
LED_G_L: R17.2 | length 1203.9
  Top Layer w8: v1(2954,3822) 2952,3822 2987,3857 R17.2@2987,3892 ; v1(3230,2991) 3238.21,2999.21 3378.17,2999.21
  Bottom Layer w8: v1(2954,3822) 2954,3512.5 3022,3444.5 3022,3164 3195,2991 v1(3230,2991)
LED_G_R: Designator38.2 R19.2 | length 1033.4
  Top Layer w8: Designator38.2@3602.43,3091.65 3602.43,3120.43 3610,3128 3656,3128 v1(3671,3113) ; Designator38.2@3602.58,3085.83 Designator38.2@3602.58,3091.65 ; v1(3729,3681) v1@3729,3685 ; R19.2@3729,4003 R19.2@3730,4004
  Top Layer w10: v1(3671,3584) 3671,3623 v1(3729,3681) ; v1(3729,3753) v1(3729,3880) R19.2@3729,4003
  Bottom Layer w10: v1(3671,3113) v1(3671,3584) ; v1@3728,3752 v1(3729,3753) v1(3729,3681)